# Allegro board P2597_B04_Allegro_layout.brd (continued)
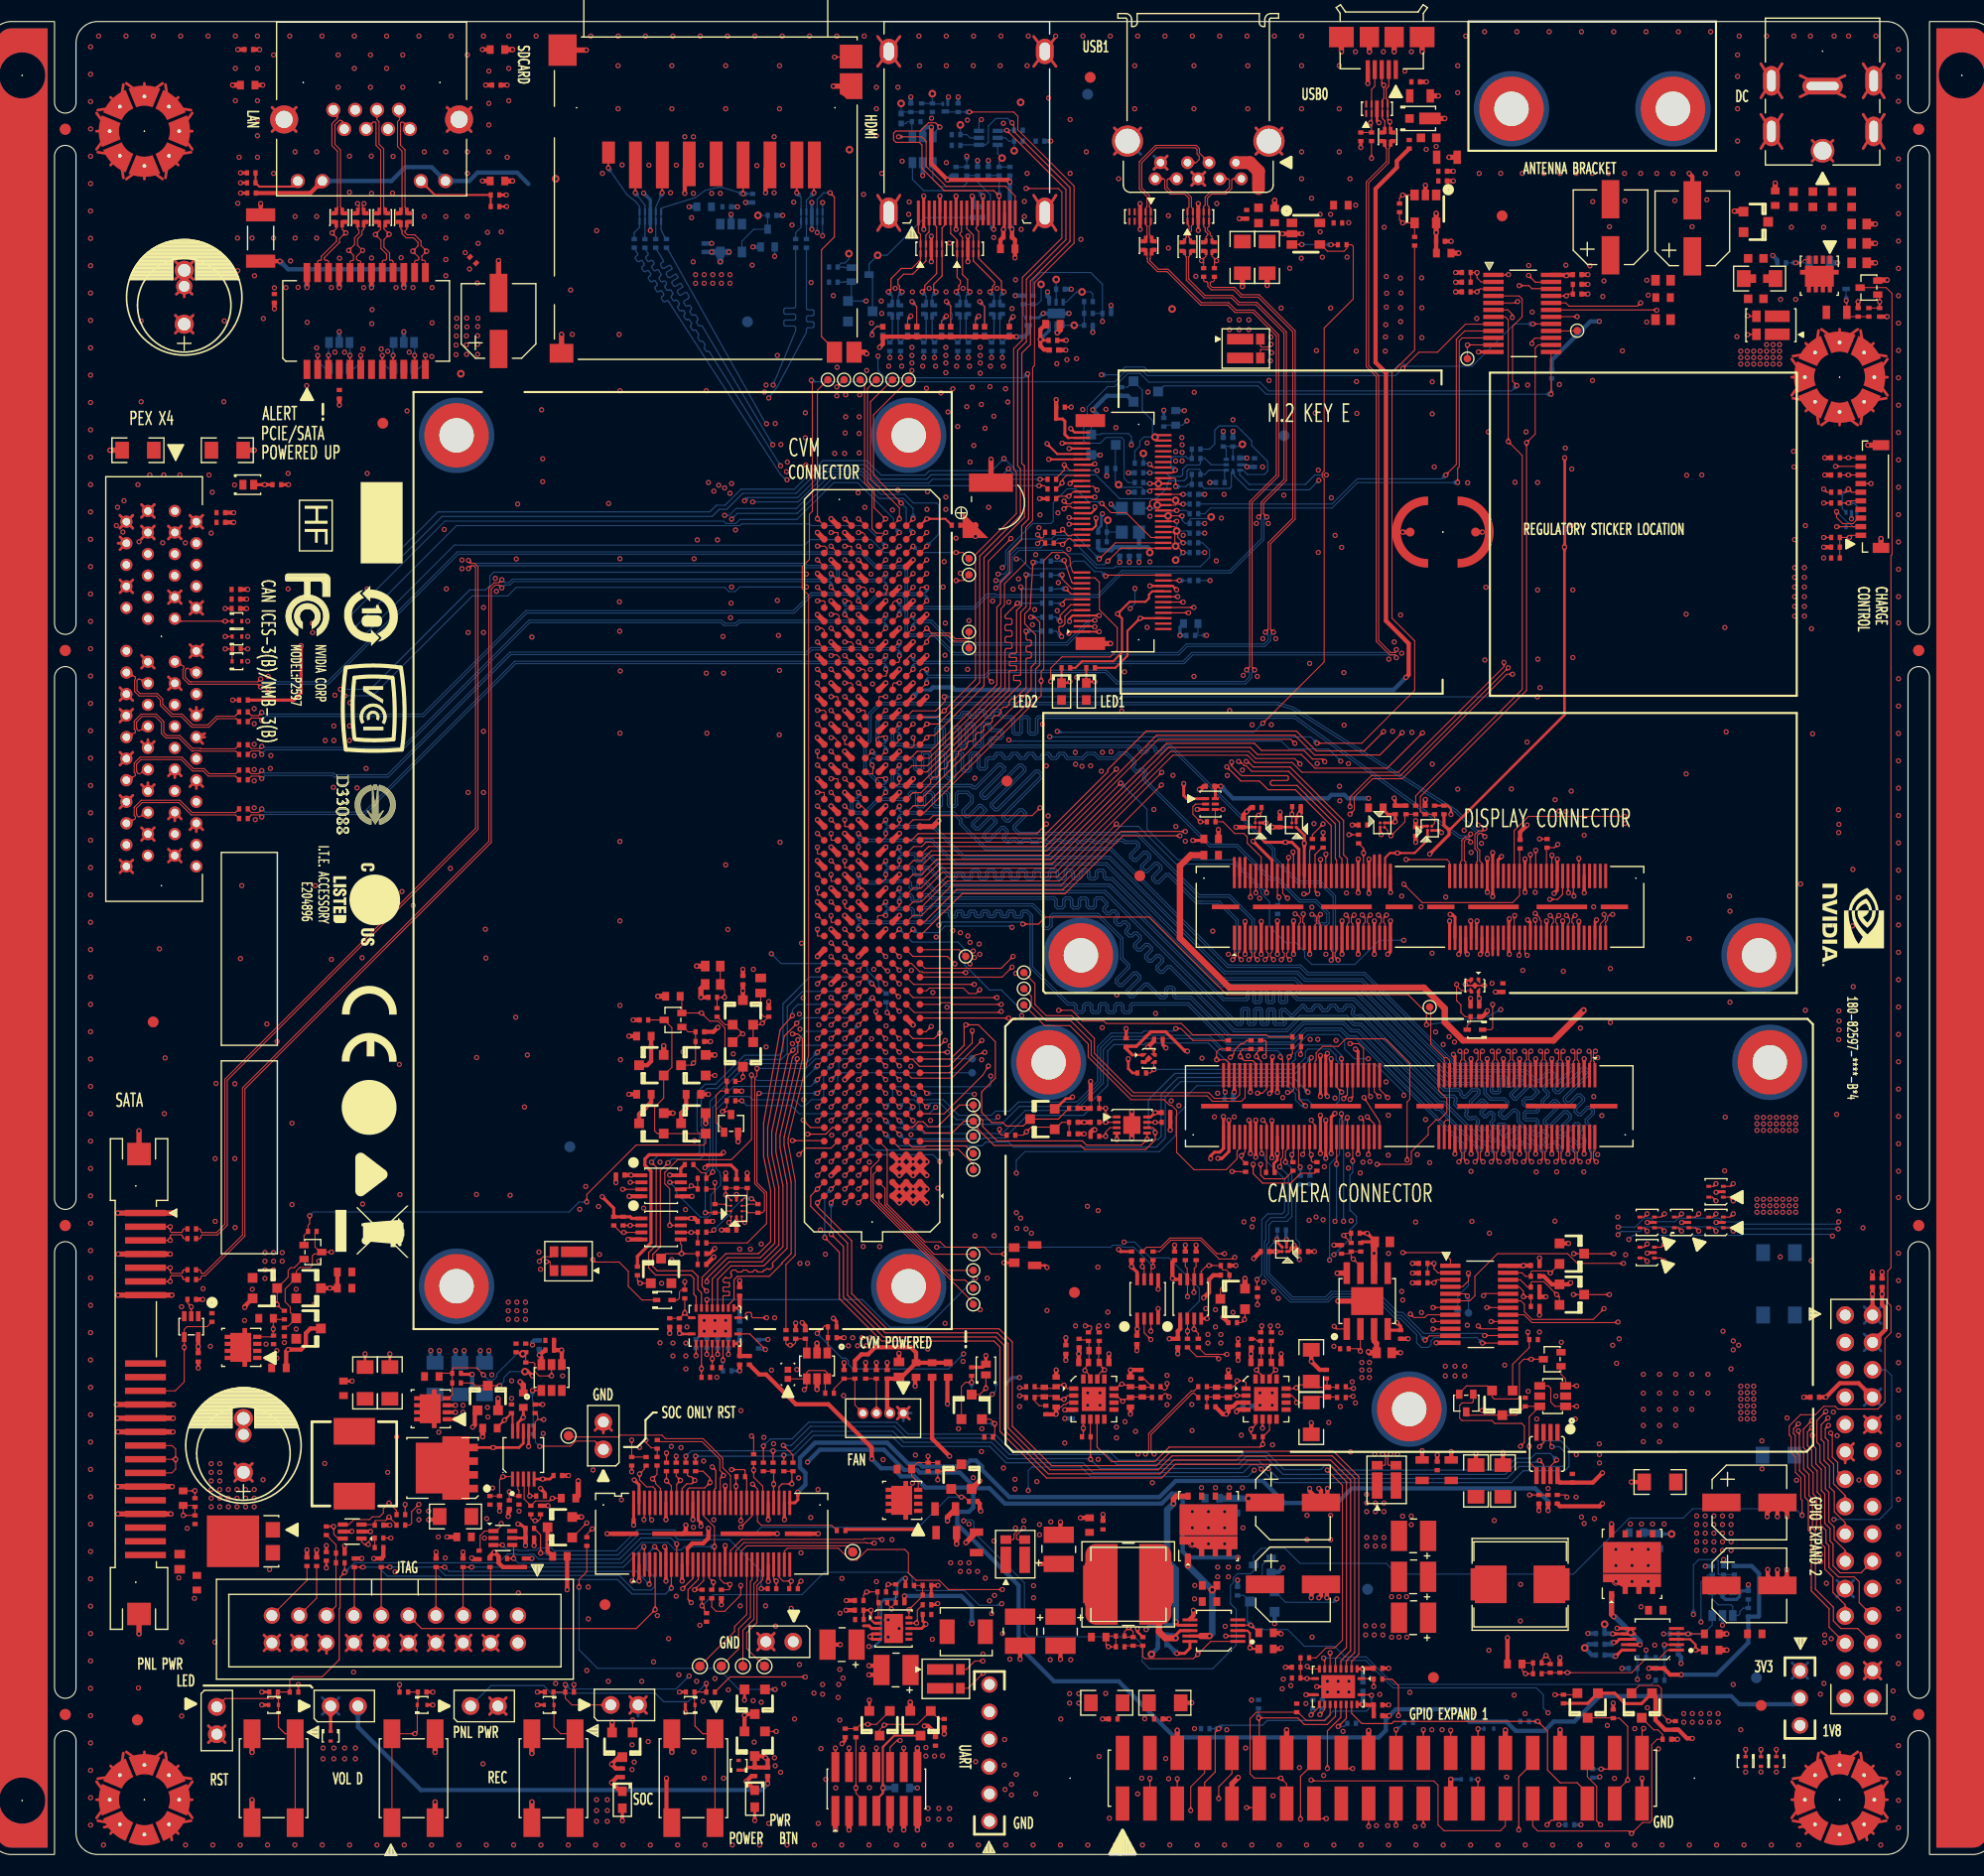
[diagram p0: board, top side]
## Routing (per net, layer and track width the routed paths; a pad name or vN(x,y) marks a point on that pad's centre or on a via; arc(x,y) is an arc through that point) (continued)
CON_DSI_B_D3_P: length 76.2
  TOP w0.101: v1(116.25,83.08) 115.96,83.37 115.96,83.67 116.1,83.81 J23.3 ; J13.E29 81.31,97.02 80.99,97.34 v1(80.68,97.34)
  BOTTOM w0.101: v1(80.68,97.34) 80.68,97.8 80.62,97.86 80.32,97.86 80.15,97.7 80.15,97.07 80.42,96.81 81.21,96.81 82.49,98.08 85.21,98.08 85.31,98.18 85.31,98.5 85.54,98.73 86.03,98.73 86.21,98.55 86.21,97.48 86.29,97.41 86.64,97.41 86.71,97.48 86.71,98.45 86.99,98.73 87.48,98.73 87.76,98.45 87.76,97.48 87.84,97.41 88.19,97.41 88.27,97.48 88.27,98.55 88.45,98.73 88.93,98.73 89.16,98.5 89.16,97.48 89.21,97.43 89.57,97.43 89.67,97.53 89.67,98.5 89.9,98.73 90.85,98.73 91.33,98.25 91.33,97.68 90.52,96.86 90.52,96.72 90.74,96.5 90.88,96.5 91.88,97.5 92.13,97.5 92.63,97 92.63,96.91 91.43,95.71 91.43,95.57 91.64,95.35 91.79,95.35 92.88,96.45 93.14,96.45 93.56,96.03 93.56,95.77 92.46,94.68 92.46,94.53 92.68,94.32 92.82,94.32 93.96,95.46 94.22,95.46 94.58,95.09 94.58,94.77 94.3,94.48 94.3,94.34 94.52,94.12 94.66,94.12 94.94,94.41 95.27,94.41 95.58,94.1 95.84,94.1 96.02,94.28 96.61,94.28 96.78,94.1 97.29,94.1 97.47,94.28 98.06,94.28 98.24,94.1 98.74,94.1 98.92,94.28 99.51,94.28 99.69,94.1 100.19,94.1 100.37,94.28 100.96,94.28 101.14,94.1 101.65,94.1 101.83,94.28 102.41,94.28 102.59,94.1 103.1,94.1 103.28,94.28 103.87,94.28 104.04,94.1 104.55,94.1 104.73,94.28 105.32,94.28 105.5,94.1 106.54,94.1 106.81,93.83 106.81,93.51 106.09,92.79 106.09,92.65 106.31,92.44 106.45,92.44 107.17,93.15 107.49,93.15 107.84,92.8 107.84,92.48 107.12,91.76 107.12,91.62 107.34,91.4 107.48,91.4 108.2,92.12 108.52,92.12 108.87,91.77 108.87,91.45 108.16,90.73 108.16,90.59 108.37,90.37 108.51,90.37 109.23,91.09 109.55,91.09 112.13,88.51 112.52,88.51 112.53,88.5 114.24,88.5 115.96,86.78 115.96,83.37 v1(116.25,83.08)
CON_I2C_GP1_SCL_LT: length 4.9
  TOP w0.111: R208.2 122.6,93.23 J23.30 122.6,89.33 122.45,89.18 v1(122.05,89.18)
CON_I2C_GP1_SDA_LT: length 4.8
  TOP w0.111: v1(123.35,89.18) 123.1,89.43 J23.32 123.1,92.83 123.75,93.48 R210.2
CONN_CAM0_RST_L: length 2.8
  TOP w0.1: J22.95 120.6,73.97 v1(120.69,74.06) 121,74.37 R207.2
CONN_CAM1_RST_L: length 3.7
  TOP w0.1: J22.92 121.56,66.57 121.56,63.99 v1(121.72,63.83)
  BOTTOM w0.1: R519.2 v1(121.72,63.83)
CPU_PWR_REQ: length 3.7
  TOP w0.1: J10.33 67.8,25.59 68.21,25.18 68.65,25.18 v1(68.75,25.08) 68.75,24.68 68.65,24.58 R91.2
D_FORCE_AC_NOT_OK_N: length 224
  TOP w0.1: v1(59.65,25.38) 59.8,25.53 J10.1 ; R270.2 v1(170.35,122.28)
  L3 w0.1: v1(170.45,19.68) 169.95,20.18 169.95,25.77 170.7,26.52 170.7,28.08 170.4,28.38 170.4,34.81 169.81,35.41 169.81,41.14 169.45,41.5 169.45,53.78 170.26,54.59 170.26,98.29 171.44,99.47 171.44,120.55 170.75,121.24 170.75,121.88 v1(170.35,122.28)
  L4 w0.1: v1(170.45,19.68) 159.65,19.68 158.25,21.08 153.48,21.08 151.66,22.9 122.34,22.9 121.66,23.59 114.04,23.59 112.2,25.43 93.81,25.43 93.33,24.95 88.87,24.95 87.31,26.52 79.46,26.52 76.59,23.65 74.16,23.65 73.1,22.59 62.84,22.59 60.75,24.68 60.35,24.68 v1(59.65,25.38)
D_FORCE_OFF_G: length 58
  L4 w0.1: v1(158.95,21.58) 158.85,21.68 158.53,21.68 158.51,21.7 153.74,21.7 151.92,23.53 125.33,23.53 v1(125.12,23.73)
  BOTTOM w0.1: v1(125.12,23.73) 124.8,23.42 120.36,23.42 Q503.1 118.2,25.58 118.2,26.88 118.85,27.53 Q502.1 ; R502.1 R503.2 162.89,22.88 162.56,22.55 162.56,22.34 162.4,22.18 Q501.4 161.9,23.03 161.75,23.18 160.55,23.18 160,23.73 Q501.1 160,25.96 C502.1 159.63,25.96 158.95,25.28 v1(158.95,21.58)
D_FORCE_OFF_L: length 104.4
  TOP w0.1: v1(75.35,25.38) 75.05,25.08 R111.1
  L3 w0.1: J11.1 75.35,20.48 v1(75.35,25.38)
  L4 w0.1: v1(158.25,22.28) 158.15,22.18 153.55,22.18 152,23.73 132.41,23.73 131.77,24.37 114.14,24.37 112.46,26.05 93.47,26.05 93.2,25.78 91.45,27.53 78.95,27.53 76.8,25.38 v1(75.35,25.38)
  BOTTOM w0.1: Q501.3 161.9,25.27 162.05,25.42 R504.2 R505.1 160.65,25.98 160.55,26.08 160.55,27.28 160.45,27.38 158.75,27.38 158.25,26.88 v1(158.25,22.28)
D_FORCE_OFF_R_L: length 3.2
  TOP w0.1: R111.2 74.35,24.78 74.35,25.28 v1(74.45,25.38) 73.67,25.38 73.3,25.75 J10.55
DBG_GEN1_I2C_SCL: length 3.1
  TOP w0.1: J10.16 63.3,34.22 63.3,34.23 v1(62.85,34.68) R69.1
DBG_GEN1_I2C_SDA: length 3.2
  TOP w0.1: J10.18 63.8,34.38 v1(64.15,34.73) 63.75,35.13 R71.1
DBG_GPIO: length 6.7
  TOP w0.1: R137.2 95.97,66.78 v1(96.29,67.09) 96.73,67.53 98.71,67.53 Q22.1 99.57,67.98 R149.2 R150.2
DBG_GPIO1: length 11.8
  TOP w0.111: v1(67.1,35.98) 67.43,35.65 67.43,34.01 67.3,33.88 J10.32 ; v1(59.62,35.53) R61.1
  L4 w0.12: v1(67.1,35.98) 60.07,35.98 v1(59.62,35.53)
DBG_GPIO2: length 10.9
  TOP w0.1: J10.34 67.85,32.69 67.85,34.93 68.1,35.18 v1(68.15,35.18) 68.15,35.33 67.81,35.67 67.81,36.68 66.16,38.33 62.14,38.33 R68.1
DBG_GPIO3: length 72
  TOP w0.1: v1(94.05,24.6) 89.05,24.6 88.19,25.46 86.04,25.46 85.32,26.17 85.32,27.98 84.99,28.32 81.51,28.32 80.51,27.32 79.94,27.32 78.82,28.43 74.08,28.43 73.8,28.16 J10.57 ; v1(93.79,67.34) 93.79,66.96 93.97,66.78 R137.1
  L3 w0.1: v1(94.05,24.6) 93.81,24.83 93.81,27.35 92.39,28.77 92.39,31.17 92.8,31.58 92.8,33.9 93.09,34.2 93.09,36.33 94.49,37.73 94.49,40.4 94.05,40.84 94.05,45.28 94.57,45.8 94.57,53.6 92.89,55.28 92.89,57.63 93.46,58.2 93.46,67.05 v1(93.79,67.34)
DBG_I2C_EN: length 14.4
  TOP w0.1: 143.67,35.17 143.67,35.76 143,36.43 v1(143,37.89) 143,40.63 Q38.6 R312.1 141.81,40.79 Q37.3 137.45,40.79 Q36.3
DBG_I2C_EN_L: length 15.2
  TOP w0.1: v1(147.4,41.6) Q38.1 145.4,41.6 145,42 145,43.28 144.78,43.5 143.97,43.5 ; v1(146.5,33.18) 146.5,33.28 146.4,33.38 R255.2
  L3 w0.1: v1(146.5,33.18) 147.5,34.18 147.5,36.66 147.82,36.98 147.82,41.18 v1(147.4,41.6)
DBG_IRQ_N: length 19.8
  TOP w0.1: TP2.1 53.87,38.76 58.38,38.76 58.55,38.93 62.43,38.93 62.75,38.6 66.25,38.6 68.08,36.78 68.08,35.9 68.81,35.17 68.8,35.16 J10.38
DBG_JTAG_TRST: length 2.3
  TOP w0.1: R106.2 v1(73.05,25.38) 72.8,25.63 J10.53
DBG_KB_COL0: length 11.2
  TOP w0.1: TP3.1 69.17,20.7 69.17,21.16 70.3,22.28 J10.43
DBG_KB_COL1: length 10.6
  TOP w0.1: TP4.1 69.55,19.08 69.55,20.95 70.65,22.05 70.65,25.36 70.8,25.51 J10.45
DBG_KB_COL2: length 10
  TOP w0.1: TP5.1 69.95,20.82 70.97,21.84 70.97,25.13 71.3,25.45 J10.47
DBG_KB_COL3: length 10.7
  TOP w0.1: J10.49 71.8,25.53 71.26,24.99 71.26,21.54 70.3,20.58 70.3,19.13 TP6.1
DBG_KB_ROW0: length 101
  TOP w0.1: R206.2 118.8,75.91 118.6,76.11 111.72,76.11 110.67,77.16 103.7,77.16 103.47,77.38 101.5,77.38 100.5,78.38 v1(99.27,78.38) ; v1(82.88,29.23) 82.77,29.33 81.23,29.33 81.16,29.26 69.84,29.26 68.8,28.21 J10.37
  L3 w0.1: v1(95.22,34.83) 96.79,36.39 96.79,40.92 97.47,41.61 97.47,56.45 97.88,56.85 97.88,64.75 98.55,65.43 98.55,69 101.72,72.18 101.72,75.93 v1(99.27,78.38)
  L4 w0.1: v1(95.22,34.83) 94.96,35.09 92.67,35.09 92.42,34.84 92.42,34.48 92.15,34.2 90.6,34.2 86.05,29.66 83.3,29.66 v1(82.88,29.23)
DBG_KB_ROW1: length 92.9
  TOP w0.1: v1(82.15,28.91) 81.46,28.91 81.41,28.95 70.05,28.95 69.3,28.21 J10.39
  L3 w0.1: v1(122.62,63.83) 122.62,60 122.07,59.45 122.07,55.05 120.12,53.09 120.12,51.42 119.94,51.24 119,51.24 118.53,51.71 117.32,51.71 116.77,51.16 116.77,50.55 115.02,48.8 115.02,47.53 113.66,46.17 113.66,45.84 114.02,45.48 114.02,40.33 115.84,38.52 117.44,38.52 117.62,38.34 117.62,35.85 v1(117.45,35.68)
  L4 w0.1: v1(96.46,33.78) 95.86,34.38 94.9,34.38 94.59,34.69 92.85,34.69 92.75,34.59 92.75,34.38 92.25,33.88 91.62,33.88 90.38,32.63 89.5,32.63 85.7,28.83 82.22,28.83 v1(82.15,28.91)
  BOTTOM w0.1: v1(117.45,35.68) 116.85,35.08 102.26,35.08 101.37,35.98 96.79,35.98 96.46,35.64 v1(96.46,33.78) ; R518.2 v1(122.62,63.83)
DBG_KB_ROW2: length 12
  TOP w0.1: TP9.1 79.57,28.66 70.3,28.66 69.8,28.16 J10.41
DBG_PM342_I2C_SCL_3V3: length 81.5
  TOP w0.111: R103.2 v1(71.85,37.93) ; U30.7 144.97,36.05 v1(145.55,36.63)
  BOTTOM w0.111: v1(71.85,37.93) 72.5,38.58 74.51,38.58 76.06,40.13 84.2,40.13 85.3,39.03 93.35,39.03 94.87,37.51 103.92,37.51 104.83,36.6 115.79,36.6 116.51,37.32 118.63,37.32 120.22,35.73 123.63,35.73 124,36.1 124.62,36.1 125.04,35.69 140.63,35.69 141.73,36.79 143.16,36.79 143.6,37.23 144.95,37.23 v1(145.55,36.63)
DBG_PM342_I2C_SDA_3V3: length 77.5
  TOP w0.111: v1(73.7,37.98) 74.6,37.08 R110.2 ; U30.6 144.32,36.2 v1(143.95,36.58)
  BOTTOM w0.111: v1(73.7,37.98) 74.45,37.98 76.22,39.75 84.04,39.75 85.14,38.65 93.19,38.65 94.71,37.13 103.76,37.13 104.67,36.22 115.95,36.22 116.67,36.94 118.47,36.94 120.13,35.29 140.77,35.29 141.89,36.41 143.78,36.41 v1(143.95,36.58)
DBG_PM_I2C_SCL_3V3: length 3.9
  TOP w0.111: R103.1 R107.1 72.81,35.52 v1(72.81,34.38) 72.8,34.37 J10.54
DBG_PM_I2C_SDA_3V3: length 4.9
  TOP w0.111: J10.56 73.3,34.13 73.58,34.41 v1(74.5,34.41) 74.5,35.48 R110.1 R108.1
DBG_UART0_CTS: length 4.7
  TOP w0.1: R66.1 60.8,35.94 60.8,35.78 v1(60.35,35.33) 60.35,34.78 61,34.13 61.6,34.13 61.8,33.93 61.8,33.93 J10.10
DBG_UART0_RTS: length 3.9
  TOP w0.1: J10.12 62.3,33.97 61.84,34.42 61.84,34.59 v1(61.55,34.88) 61.97,35.3 R67.1
DBG_UART_SEL: length 4.7
  TOP w0.1: U8.D3 v1(68.35,61.23) R92.2 R96.2 R99.1 70.35,61.23 U8.D1
DDC_SCL_Q: length 2.6
  BOTTOM w0.1: v2(95.15,158.18) R560.2 94.65,159.08 94.35,159.38 Q506.5
DDC_SDA_Q: length 2.8
  BOTTOM w0.1: v2(90.15,160.58) R572.2 90.75,159.68 91.05,159.38 Q506.2
DIRECTDC_CLK: length 73.6
  TOP w0.111: J13.F12 v1(79.41,74.48) ; J14.2 v1(78.54,9.88)
  L3 w0.12: v1(78.54,9.88) 78.06,10.36 78.06,16.11 77.41,16.76 77.41,27.08 79.24,28.91 79.24,30.09 79.43,30.27 79.43,30.27 79.98,30.83 79.98,33.69 78.24,35.43 78.24,37.81 74.4,41.65 74.4,45.98 74.85,46.42 74.85,48.73 74.4,49.18 74.4,49.53 78.63,53.76 78.63,72.96 78.9,73.23 78.9,73.66 79.41,74.17 v1(79.41,74.48)
DIRECTDC_IN: length 72.1
  TOP w0.111: J13.F11 v1(79.41,73.21) ; J14.4 v1(79.81,9.88)
  L3 w0.12: v1(79.41,73.21) 78.95,72.75 78.95,54.6 78.95,54.6 78.95,54.08 78.95,54.08 78.95,53.56 76.19,50.81 76.19,49.5 75.71,49.01 75.52,48.83 75.52,44.34 74.86,43.68 74.86,41.64 78.56,37.95 78.56,35.56 80.3,33.82 80.3,30.69 79.56,29.95 79.56,29.01 79.57,29.01 79.57,28.78 77.73,26.95 77.73,16.89 78.38,16.24 78.38,11.95 79.81,10.52 v1(79.81,9.88)
DIRECTDC_OUT0: length 71
  TOP w0.111: J14.6 v1(81.08,9.88) ; J13.E11 v1(80.68,73.21)
  L3 w0.12: v1(81.08,9.88) 79.94,11.02 79.94,27.54 80.71,28.31 80.71,29.48 81.45,30.22 81.45,34.29 79.7,36.04 79.7,38.42 77.34,40.78 77.34,50.33 80.09,53.09 80.09,53.61 80.09,55.77 80.09,55.77 80.09,59.28 81.13,60.32 81.13,60.7 80.09,61.74 80.09,72.62 v1(80.68,73.21)
DIRECTDC_OUT1: length 72.7
  TOP w0.111: J13.E12 v1(80.68,74.48) ; J14.8 v1(82.35,9.88)
  L3 w0.12: v1(80.68,74.48) 81.3,73.86 81.3,72.9 81.1,72.7 81.1,61.18 81.45,60.83 81.45,60.19 80.41,59.15 80.41,55.9 80.41,52.96 77.66,50.2 77.66,40.92 79.83,38.74 80.02,38.55 80.02,36.17 81.77,34.43 81.77,30.09 81.03,29.35 81.03,28.17 80.27,27.41 80.27,11.56 81.95,9.88 v1(82.35,9.88)
DIRECTDC_OUT2: length 74.8
  TOP w0.111: J14.10 83.62,9.95 84.25,10.58 v1(84.55,10.58) ; J13.D11 v1(83.22,73.21)
  L3 w0.12: v1(84.55,10.58) 84.3,10.58 84.02,10.86 81.87,10.86 80.91,11.83 80.91,27.15 81.67,27.91 81.67,29.08 82.19,29.59 82.41,29.82 82.41,34.69 80.66,36.44 80.66,38.82 80.1,39.38 80.1,39.38 78.3,41.18 78.3,48.68 81.66,52.03 81.66,53.33 83.67,55.35 83.67,57.03 83.67,57.03 83.67,57.3 83.67,57.3 83.67,59.41 83.48,59.6 83.48,59.6 82.44,60.64 82.44,72.43 v1(83.22,73.21)
DIRECTDC_OUT3: length 76
  TOP w0.111: J13.D12 v1(83.22,74.48) ; J14.12 v1(84.89,9.88)
  L3 w0.12: v1(83.22,74.48) 82.1,73.36 82.1,60.53 83.35,59.28 83.35,55.48 81.33,53.46 81.33,52.16 77.98,48.81 77.98,41.05 79.97,39.06 79.97,39.06 80.34,38.69 80.34,36.3 82.09,34.56 82.09,29.95 81.35,29.21 81.35,28.04 80.59,27.28 80.59,11.69 81.74,10.54 83.89,10.54 84.55,9.88 v1(84.89,9.88)
DIRECTDC_PIN5: length 4.8
  TOP w0.1: R116.1 R118.1 80.5,11.68 80.9,12.08 v1(81.55,12.08) 82.36,12.08 Q18.1
DIRECTDC_PIN5_R: length 7.1
  TOP w0.1: J14.5 81.08,5.05 80.45,5.68 v1(80.45,6.18) R118.2
DIRECTDC_PIN7: length 11.2
  TOP w0.2: Q20.3 84.01,11.04 82.95,9.98 v1(82.95,6.18) 82.95,5.68 82.35,5.08 J14.7
  BOTTOM w0.4: 84.07,6.18 v1(82.95,6.18)
DIRECTDC_PU: length 7.6
  TOP w0.1: R132.2 88.14,12.58 Q20.1 86.16,12.08 83.15,12.08 v1(83.08,12.01) 82.65,11.58 Q18.3
DIS_PNP_B: length 6.1
  TOP w0.1: Q14.1 D7.2 71.61,77.04 v1(71.75,77.18) R105.1 71.9,77.78 71.6,78.08 C201.1
DIS_PNP_C: length 1.9
  TOP w0.1: R93.1 69.75,71.78 69.95,71.98 v1(69.95,72.18) Q14.3
DIS_VDD_1V2_EN: length 252.9
  TOP w0.1: R33.1 39,30.58 39.17,30.76 39.17,31.83 v1(39.85,32.51) ; U29.15 145,140.78 143.51,140.78 143.25,140.52 v1(143.25,140.29) ; v1(139.6,78.93) 139.6,76.73 139.45,76.58 D12.1
  L3 w0.1: v1(148.1,30.73) 148.35,30.98 148.35,36.05 148.82,36.53 148.82,58.18 146.2,60.8 139.15,60.8 135.68,64.28 135.68,68.58 133.57,70.68 133.57,76.19 134.61,77.23 137.12,77.23 138.82,78.93 v1(139.6,78.93) 140.32,79.65 140.32,86.79 141.75,88.21 141.75,92.45 143.25,93.96 143.25,108.32 143.91,108.97 144.27,108.97 144.89,109.6 144.89,133.05 143.89,134.05 143.89,139.65 v1(143.25,140.29)
  L4 w0.1: v1(148.1,30.73) 147.64,30.27 133.69,30.27 132.84,29.41 131.26,29.41 130.44,30.24 117.17,30.24 116.38,31.02 110.93,31.02 110.35,30.44 102.69,30.44 98.07,35.06 96.41,35.06 94.94,36.53 90.87,36.53 89.52,35.18 77.61,35.18 75.39,32.95 59.43,32.95 56.18,36.2 42.77,36.2 39.85,33.28 v1(39.85,32.51)
DIS_VDD_1V2_EN_PU: length 187
  TOP w0.1: v1(136.25,80.78) 136.25,80.68 ; 136.25,80.68 136.25,79.28 136.65,78.88 136.65,78.18 137.05,77.78 R242.2 137.55,77.28 137.23,76.96 D12.2 ; 136.25,80.68 136.72,80.2 137.62,80.2 ; R32.2 v1(38.58,32.51)
  L3 w0.1: v1(147.85,31.33) 147.85,31.75 148.15,32.05 148.15,36.23 148.57,36.66 148.57,58.11 146.12,60.56 139.05,60.56 135.43,64.18 135.43,68.47 133.38,70.52 133.38,76.28 136.25,79.15 v1(136.25,80.78)
  L4 w0.1: v1(147.85,31.33) 147.08,30.56 133.61,30.56 132.71,29.67 131.41,29.67 130.61,30.46 117.35,30.46 116.51,31.3 110.74,31.3 110.07,30.64 102.94,30.64 98.25,35.32 96.53,35.32 95.09,36.77 90.66,36.77 89.31,35.41 77.44,35.41 75.26,33.23 59.5,33.23 56.25,36.48 42.55,36.48 v1(38.58,32.51)
DIS_VDD_1V2_EN_PU_R: length 6.7
  TOP w0.1: U2.4 33.35,30.63 33.81,31.09 35.26,31.09 35.52,31.35 36.2,31.35 36.55,31.7 36.55,32.1 v1(37.08,32.63) 37.77,31.93 R32.1
DIS_VDD_1V2_EN_PU_R_IN: length 4.1
  TOP w0.1: U2.3 35.7,30.63 R27.1 35.75,30.93 35.82,31.01 36.75,31.01 v1(37.08,31.33) 37.77,30.63 R33.2
DISCHARGE: length 93.1
  TOP w0.1: v1(29.7,59.3) 29.7,58.55 29.55,58.41 R348.2 29.17,57.48 D18.1 ; Q6.1 54.1,29.43 v1(55.45,30.78) ; v1(55.45,60.58) 55.45,61.28 60.03,65.86 66.3,65.86 66.49,66.05 Q12.1 Q9.1 62,66.93 61.75,67.18 61.75,69.38 62.59,70.22 Q8.1 62.6,72.33 63.35,73.08 63.35,76.76 D5.3 R63.1
  L3 w0.1: v1(55.45,30.78) v1(55.45,60.58)
  BOTTOM w0.1: v1(29.7,59.3) 30.05,59.66 53.8,59.66 54.73,60.58 v1(55.45,60.58)
DISCHARGE_CAR: length 5.7
  TOP w0.1: Q11.3 65.15,73.28 v1(65.35,73.48) 65.55,73.68 R78.1 R77.2 64.85,76.38 64.4,76.83 D5.1
DISCHARGE_CAT: length 17
  TOP w0.1: Q13.1 68.2,67.23 67.45,67.98 67.45,70.48 67.85,70.88 R94.1 R93.2 68.28,71.95 68.28,76.73 67.64,77.37 66.86,77.37 v1(66.1,78.13) D5.2 64.28,79.53 C49.1
DP1_TXD0_N: length 40.5
  TOP w0.102: J13.E38 v1(80.68,108.77)
  L3 w0.102: v1(84.6,138.98) 84.3,138.68 84.3,137.74 83.43,136.87 82.61,136.87 82.25,137.23 82.25,137.99 81.86,138.38 80.49,138.38 80.28,138.18 80.28,127.99 82.75,125.52 82.75,116.84 82.65,116.74 82.65,109.77 82.05,109.16 80.68,109.16 v1(80.68,108.77)
  BOTTOM w0.102: v1(84.6,138.98) C530.1
DP1_TXD0_P: length 40.4
  TOP w0.102: J13.E39 81.31,109.92 81.19,110.04 v1(80.68,110.04)
  L3 w0.102: v1(83.6,138.98) 83.99,138.59 83.99,137.87 83.3,137.18 82.74,137.18 82.56,137.36 82.56,138.12 81.99,138.7 80.36,138.7 79.97,138.31 79.97,127.86 82.44,125.39 82.44,116.97 82.34,116.87 82.34,109.9 81.92,109.47 80.73,109.47 80.68,109.52 v1(80.68,110.04)
  BOTTOM w0.102: v1(83.6,138.98) C531.1
DP1_TXD1_N: length 41
  TOP w0.102: J13.C37 v1(84.49,107.5)
  L3 w0.102: v1(87.75,138.98) 87.41,138.64 87.41,137.29 85.67,135.56 82.23,135.56 81.75,135.07 81.75,128.61 82.53,127.83 84.77,127.83 85.49,127.11 85.49,124.81 85.36,124.68 85.36,108.34 84.96,107.94 84.56,107.94 84.49,107.88 v1(84.49,107.5)
  BOTTOM w0.102: v1(87.75,138.98) C525.1
DP1_TXD1_P: length 40.9
  TOP w0.102: v1(84.49,108.77) 83.99,108.77 83.85,108.64 J13.C38
  L3 w0.102: v1(86.75,138.98) 86.95,138.98 87.09,138.84 87.09,137.42 85.54,135.87 82.1,135.87 81.43,135.2 81.43,128.48 82.4,127.51 84.64,127.51 85.17,126.98 85.17,124.94 85.04,124.81 85.04,108.47 84.83,108.25 84.63,108.25 84.49,108.39 v1(84.49,108.77)
  BOTTOM w0.102: v1(86.75,138.98) C526.1
DP1_TXD2_N: length 47.6
  TOP w0.102: J13.D36 v1(83.22,106.23)
  L3 w0.102: v1(90.9,138.98) 90.56,138.64 90.56,135.85 89.32,134.61 82.75,134.61 82.65,134.51 82.65,129.21 82.78,129.07 85.38,129.07 86.55,127.91 86.55,107.54 86.5,107.36 86.5,107.33 86.44,107.21 86.31,106.93 86.07,106.82 86,106.75 85.59,106.71 85.46,106.7 85.45,106.71 83.32,106.71 83.22,106.61 v1(83.22,106.23)
  BOTTOM w0.102: v1(90.9,138.98) C523.1
DP1_TXD2_P: length 47.6
  TOP w0.102: J13.D37 82.58,107.45 82.63,107.5 v1(83.22,107.5)
  L3 w0.102: v1(89.9,138.98) 90.19,138.98 90.24,138.93 90.24,135.98 89.19,134.92 82.62,134.92 82.34,134.64 82.34,129.08 82.65,128.76 85.25,128.76 86.24,127.77 86.24,107.58 86.19,107.4 86.16,107.35 86.07,107.17 85.89,107.07 85.86,107.05 85.56,107.02 83.32,107.02 83.22,107.12 v1(83.22,107.5)
  BOTTOM w0.102: v1(89.9,138.98) C524.1
DP1_TXD3_N: length 44.4
  TOP w0.102: J13.E35 v1(80.68,104.96)
  L3 w0.102: v1(80.68,104.96) 80.68,105.21 80.84,105.37 85.19,105.37 85.45,105.62 86.73,105.62 88.14,107.03 88.14,129.47 93.71,135.04 93.71,138.64 v1(94.05,138.98)
  BOTTOM w0.102: v1(94.05,138.98) C518.1
DP1_TXD3_P: length 44.3
  TOP w0.102: J13.E36 81.31,106.15 81.23,106.23 v1(80.68,106.23)
  L3 w0.102: v1(80.68,106.23) 80.68,105.85 80.85,105.68 85.06,105.68 85.32,105.93 86.6,105.93 87.83,107.16 87.83,129.6 93.39,135.17 93.39,138.64 v1(93.05,138.98)
  BOTTOM w0.102: v1(93.05,138.98) C519.1
DP_HPD0_AP: length 83
  TOP w0.1: J23.85 141.6,87.13 v1(141.65,87.18) ; 85.12,105.59 85.71,106.18 87.86,106.18 88.75,107.07 v1(88.65,107.5)
  L3 w0.1: v1(143.75,107.48) 143.56,107.28 143.56,93.98 141.94,92.37 141.94,87.47 v1(141.65,87.18)
  BOTTOM w0.1: v1(88.65,107.5) 88.67,107.48 v1(143.75,107.48)
DSPK_OUT_CLK: length 164
  TOP w0.111: J13.G4 v1(78.14,64.32) ; D29.1 v1(163.1,9.75)
  L3 w0.12: v1(77.35,15.78) 77.1,16.03 77.1,16.19 76.79,16.5 76.79,26.82 76.78,27.34 78.62,29.17 78.62,30.34 79.17,30.9 79.17,30.9 79.36,31.08 79.36,33.43 77.61,35.17 77.61,37.56 73.78,41.39 73.78,45.98 73.64,46.12 73.64,49.66 76.74,52.76 76.74,55.34 75.99,56.09 75.99,62.99 76.64,63.63 77.45,63.63 v1(78.14,64.32)
  L4 w0.12: v1(77.35,15.78) 77.75,15.38 77.75,15.06 81.42,11.39 85.29,11.39 85.99,10.69 87.61,10.69 88.18,10.12 89.72,10.12 91.71,12.11 94.97,12.11 95.53,11.55 109.6,11.55 110.22,10.93 115.34,10.93 115.68,11.27 116.47,11.27 116.47,11.27 117.29,11.27 117.29,11.27 117.55,11.27 117.94,10.89 131.11,10.89 132.73,12.5 136.33,12.5 136.8,12.03 136.8,10.53 137.05,10.28 153.95,10.28 154.88,11.21 158.65,11.21 160.1,9.75 v1(163.1,9.75) 163.95,10.61 168.65,10.61 171.2,13.15 171.2,15.91 J26.27
DSPK_OUT_DAT: length 161.1
  TOP w0.111: D28.1 v1(164.53,9.75) ; 77.5,64.95 v1(76.87,64.32)
  L3 w0.12: v1(77.35,14.88) 76.6,15.63 76.6,16.24 76.47,16.37 76.47,26.69 76.46,26.69 76.46,27.47 76.47,27.47 76.47,27.55 78.3,29.38 78.3,30.48 79.04,31.22 79.04,33.3 77.29,35.04 77.29,37.42 73.46,41.26 73.46,45.85 73.32,45.99 73.32,49.79 76.42,52.89 76.42,55.21 75.67,55.96 75.67,63.12 v1(76.87,64.32)
  L4 w0.12: J26.29 172.35,13.84 168.69,10.18 164.95,10.18 v1(164.53,9.75) 164.07,9.3 160.03,9.3 159.11,10.21 154.59,10.21 154.3,9.93 136.85,9.93 136.47,10.3 136.47,11.75 136.05,12.18 132.86,12.18 131.25,10.57 118.07,10.57 118.07,10.56 117.8,10.56 117.8,10.57 117.42,10.95 116.34,10.95 115.81,10.95 115.47,10.61 110.09,10.61 109.47,11.23 95.39,11.23 94.83,11.79 91.9,11.79 89.91,9.8 88.03,9.8 87.46,10.37 85.86,10.37 85.16,11.07 81.16,11.07 v1(77.35,14.88)
EDP_AUX_CH0_N: length 70.1
  TOP w0.101: v1(85.76,103.69) 85.85,103.6 85.85,102.97 85.66,102.77 85.41,102.77 85.12,103.05 ; J23.87 142.1,83.53 v1(142.05,83.48)
  L4 w0.101: v1(85.76,103.69) 85.76,104.09 85.87,104.2 96.52,104.2 97.68,103.03 115.94,103.03 120.49,98.48 128.9,98.48 132.85,94.53 132.85,92.69 134.49,91.05 134.49,91.05 134.49,91.05 138.7,86.85 138.7,86.38 140.79,84.28 141.45,84.28 142.05,83.68 v1(142.05,83.48)
EDP_AUX_CH0_P: length 70.1
  TOP w0.101: 85.12,104.32 v1(85.76,104.96) ; J23.89 142.6,83.69 v1(142.81,83.48)
  L4 w0.101: v1(142.81,83.48) 142.61,83.48 141.56,84.53 140.9,84.53 138.95,86.48 138.95,86.95 133.1,92.8 133.1,94.64 129,98.73 120.6,98.73 116.05,103.28 97.79,103.28 96.62,104.45 85.88,104.45 85.76,104.57 v1(85.76,104.96)
EDP_TXD0_N: length 81.6
  TOP w0.101: v1(76.87,108.77) 76.87,108.61 77.34,108.13 77.5,108.13 ; J23.95 144.1,86.66 143.98,86.78 143.98,86.95 v1(143.55,87.38)
  L4 w0.101: v1(76.87,108.77) 76.87,109.18 76.97,109.28 89.39,109.28 91.23,107.45 116.06,107.45 131.42,101.39 135.03,97.78 135.03,96.23 135.96,95.3 135.96,94.26 136.27,93.95 136.27,93.36 139.24,90.39 139.94,90.39 142.25,88.08 143.65,88.08 144.1,87.63 144.1,87.39 143.92,87.21 143.72,87.21 v1(143.55,87.38)
EDP_TXD0_P: length 81.5
  TOP w0.101: J23.93 143.6,86.73 v1(143.55,86.78) ; 77.5,109.4 v1(76.87,110.04)
  L4 w0.101: v1(143.55,86.78) 143.72,86.95 144.02,86.95 144.35,87.28 144.35,87.74 143.75,88.33 142.35,88.33 140.04,90.64 139.35,90.64 136.52,93.47 136.52,94.05 136.21,94.36 136.21,95.41 135.28,96.33 135.28,97.89 131.56,101.61 116.11,107.7 91.33,107.7 89.5,109.53 76.97,109.53 76.87,109.63 v1(76.87,110.04)
EDP_TXD1_N: length 81.6
  TOP w0.101: J23.101 145.6,86.41 145.47,86.55 145.47,86.9 v1(145.75,87.18) ; J13.F37 v1(79.41,107.5)
  L4 w0.101: v1(145.75,87.18) 145.48,86.91 145.48,86.55 144.91,85.98 142.67,85.98 142.05,86.61 142.05,87.35 139.66,89.73 138.67,89.73 135.61,92.79 135.61,93.67 135.3,93.99 135.3,95.03 134.16,96.17 134.16,97.73 131.06,100.83 115.93,106.79 107.32,106.79 107.22,106.69 107.22,106.48 106.97,106.23 106.45,106.23 106.2,106.48 106.2,106.69 106.1,106.79 90.88,106.79 89.66,108.01 79.51,108.01 79.41,107.91 v1(79.41,107.5)
EDP_TXD1_P: length 81.6
  TOP w0.101: v1(144.94,87.18) 145.25,86.88 145.25,86.55 145.1,86.4 J23.99 ; J13.F38 80.15,108.24 80.15,108.61 79.99,108.77 v1(79.41,108.77)
  L4 w0.101: v1(79.41,108.77) 79.41,108.36 79.51,108.26 89.77,108.26 90.99,107.04 106.21,107.04 106.46,106.79 106.46,106.58 106.56,106.48 106.86,106.48 106.96,106.58 106.96,106.79 107.21,107.04 115.98,107.04 131.2,101.04 134.41,97.83 134.41,96.28 135.55,95.14 135.55,94.09 135.87,93.78 135.87,92.89 138.77,89.99 139.77,89.99 142.3,87.46 142.3,86.72 142.78,86.24 144.81,86.24 145.22,86.65 145.22,86.91 v1(144.94,87.18)
EDP_TXD2_N: length 83.7
  TOP w0.101: v1(147.26,87.18) 146.97,86.9 146.97,86.55 147.1,86.41 J23.107 ; J13.G36 v1(78.14,106.23)
  L4 w0.101: v1(78.14,106.23) 78.14,106.64 78.24,106.74 89.13,106.74 89.84,106.04 96.28,106.04 96.29,106.04 98.09,106.01 98.09,106.01 98.48,106.01 98.48,106.01 98.87,106 116.43,104.39 120.3,100.53 129.5,100.53 133.5,96.53 133.5,95.74 134.16,95.07 134.16,94.2 134.96,93.4 134.96,92.52 140.4,87.08 140.4,86.67 141.39,85.68 142.05,85.68 142.4,85.33 145.75,85.33 146.98,86.55 146.98,86.91 v1(147.26,87.18)
EDP_TXD2_P: length 83.6
  TOP w0.101: J13.G37 78.77,107.45 78.72,107.5 v1(78.14,107.5) ; J23.105 146.6,86.4 146.75,86.55 146.75,86.88 v1(146.45,87.18)
  L4 w0.101: v1(78.14,107.5) 78.14,107.09 78.24,106.99 89.24,106.99 89.94,106.29 96.2,106.29 96.21,106.29 96.29,106.29 97.7,106.27 98.09,106.27 98.48,106.27 98.48,106.26 98.89,106.26 116.55,104.64 120.41,100.78 129.61,100.78 133.75,96.64 133.75,95.84 134.41,95.18 134.41,94.3 135.21,93.51 135.21,92.62 140.65,87.18 140.65,86.97 140.65,86.97 140.65,86.78 141.5,85.93 142.16,85.93 142.51,85.58 145.65,85.58 146.72,86.65 146.72,86.91 v1(146.45,87.18)
EDP_TXD3_N: length 88.6
  TOP w0.101: 77.5,104.32 v1(76.87,104.96) ; v1(150.75,87.28) 150.51,87.28 150.27,87.04 150.27,86.75 150.1,86.58 J23.119
  L4 w0.101: v1(76.87,104.96) 76.87,105.31 76.94,105.38 96.45,105.38 98.05,105.36 116.2,103.69 120.27,99.63 129.46,99.63 132.84,96.24 132.84,95.46 133.51,94.8 133.51,93.92 134.3,93.13 134.3,92.17 139.55,86.92 139.55,86.52 141.09,84.98 141.75,84.98 142.1,84.63 147.94,84.63 147.95,84.63 148.15,84.63 150.42,86.89 150.42,87 150.7,87.28 v1(150.75,87.28)
